# Altium PCB spin5v1_simple.PcbDoc (part 11 of 25) (continued)
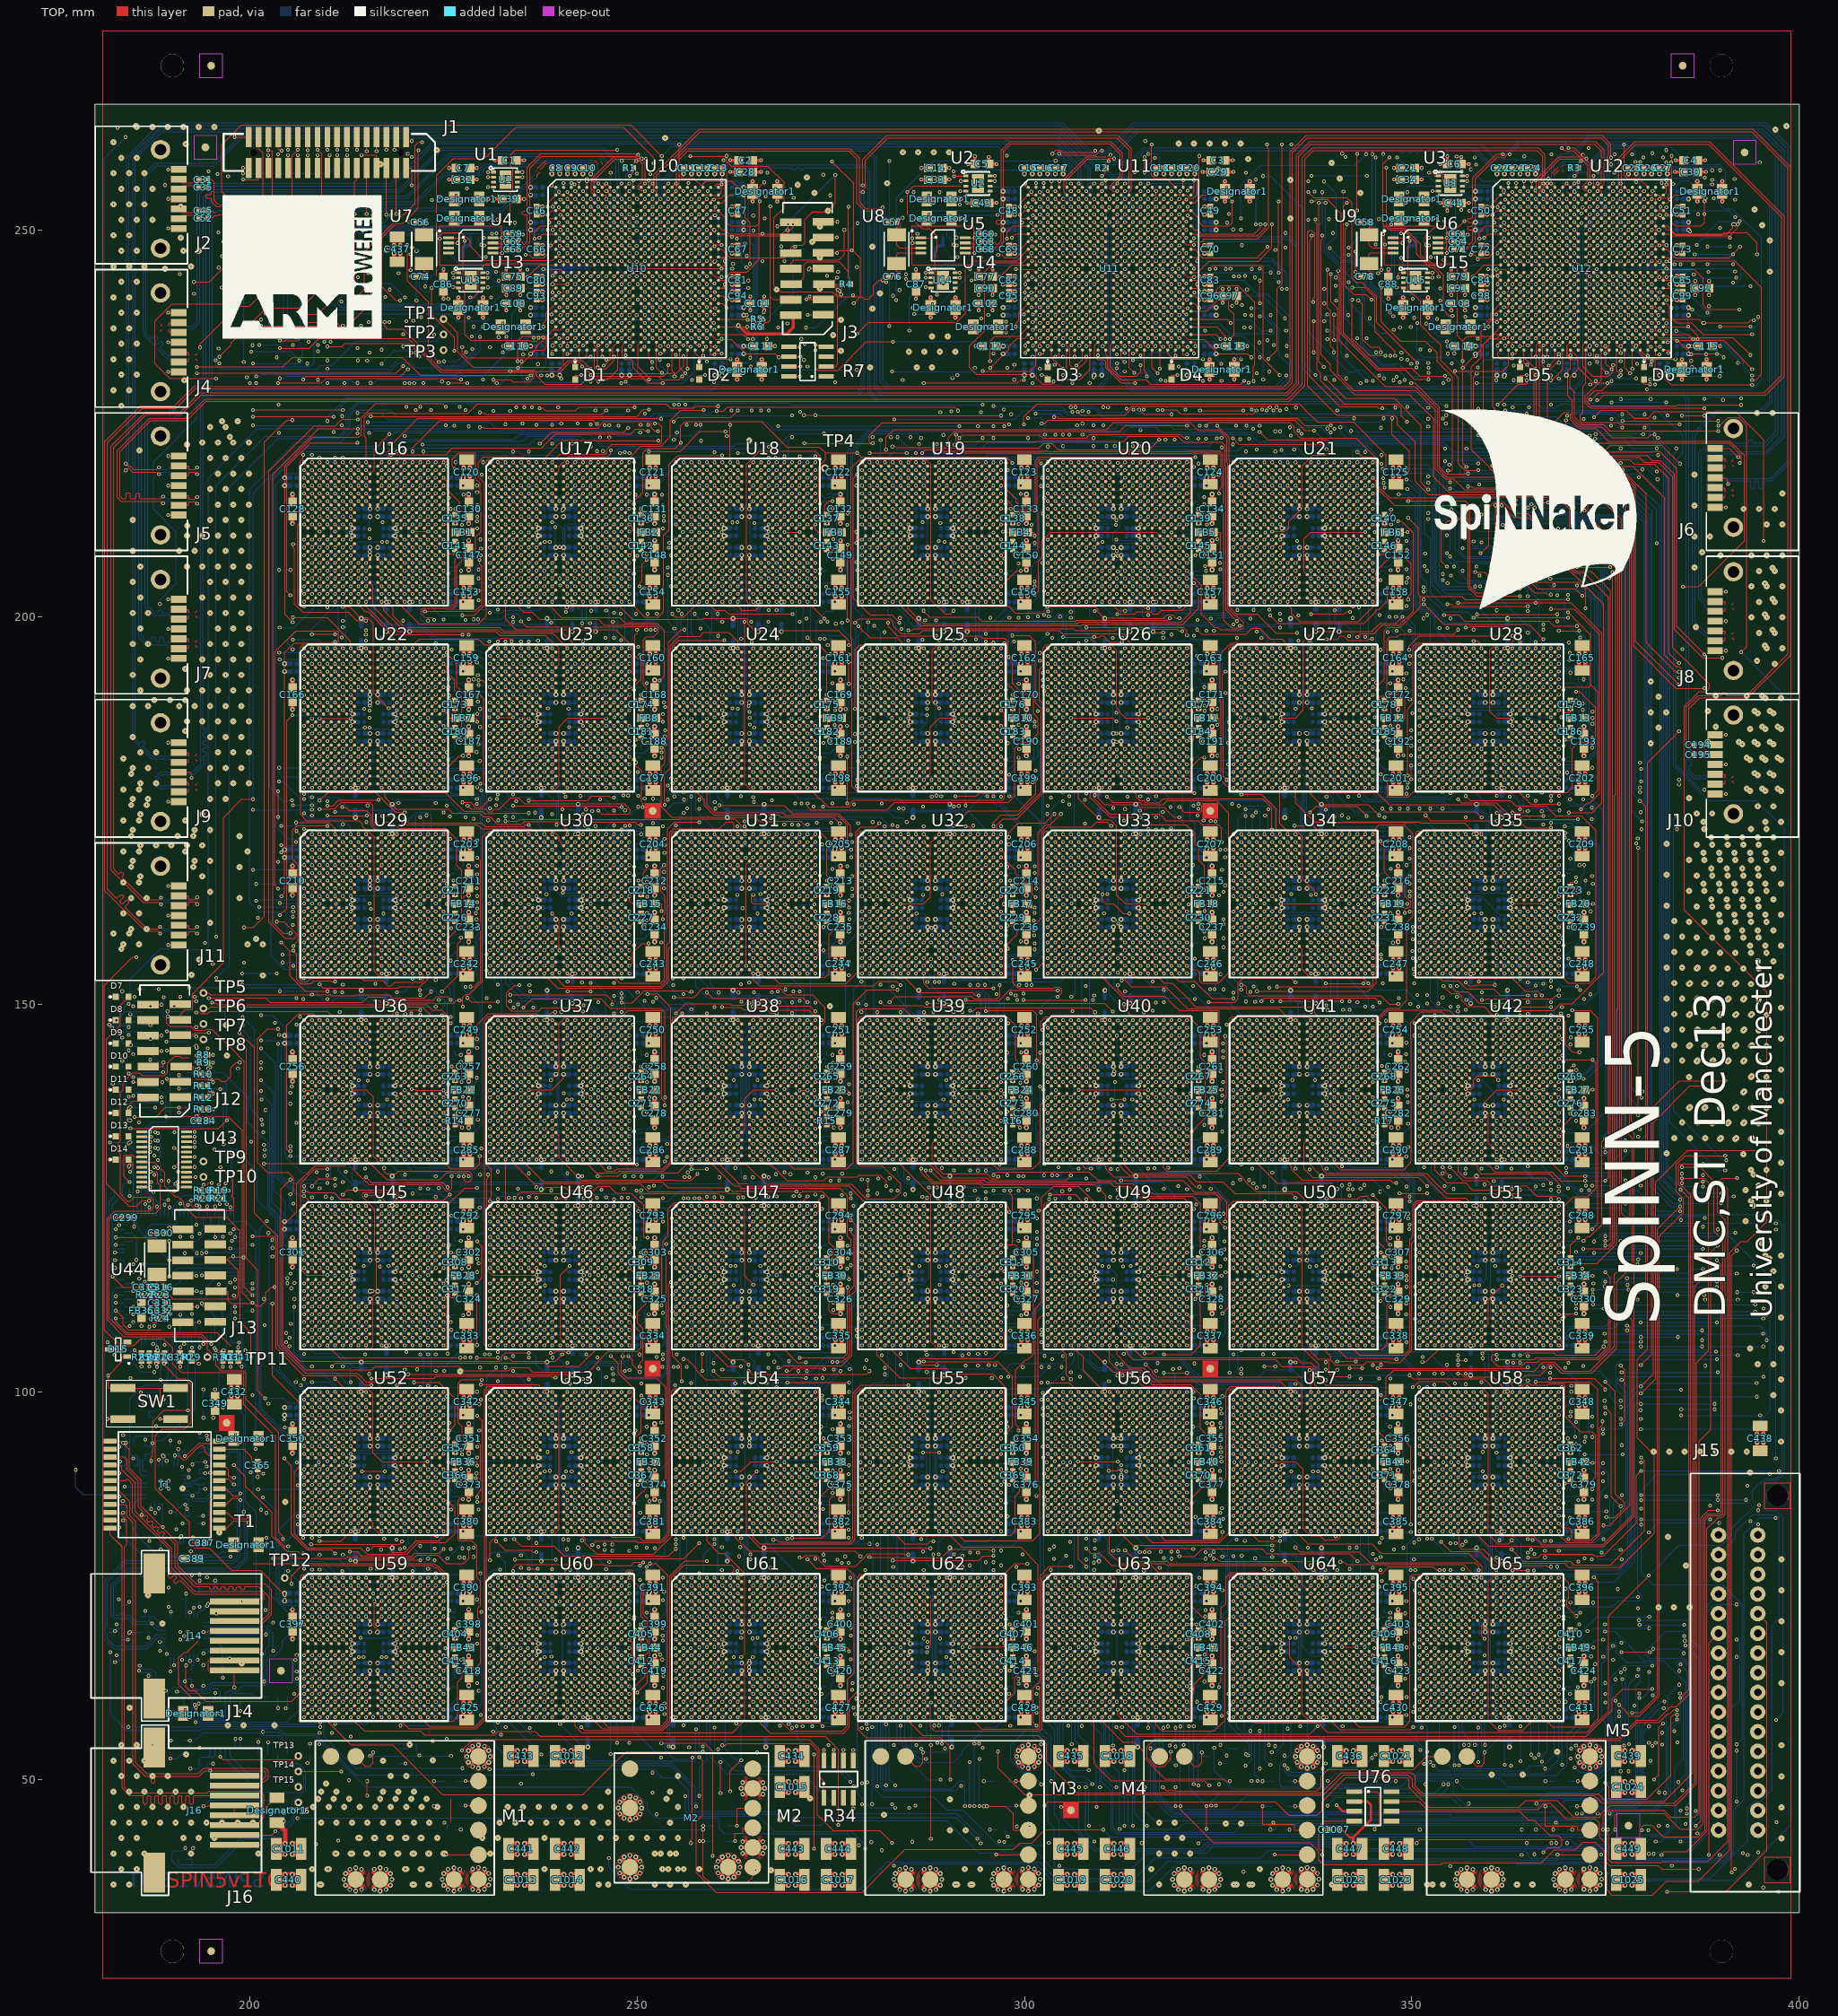
[diagram p0: TOP view]
## Nets (pads, with @x,y where several pads share a name; then routed paths per layer and width w, separated by ;. In a path a pad name is that pad's centre, name@x,y a point inside that pad or via, vN(x,y) a via of type N, cw(c..) or ccw(c..) an arc to the next point about the centre after c; other vN are vias at no path point) (continued)
S23_L2<14>: U16.U7 U30.U17
  other v1: 239.4,150.309 245,150.309 248,155 213,203
S23_L2<15>: U16.T7 U30.U18 | length 17.2
  TOP w0.127: v1(249,155) 249.431,155.431 249.431,156.685 250.638,157.892 v1(251.483,157.892)
  BOTTOM w0.127: v1(241.134,188.172) 242.362,188.172 242.561,187.973 242.561,187.828 243.958,186.431 246.232,186.431 246.431,186.232 246.431,185.95 246.812,185.569 249.24,185.569 249.685,186.014 249.685,186.448 250.003,186.766 251.096,186.766 251.295,186.567 v1(251.295,186.083)
  other v1: 213,204
S24_L0<0>: U23.R11 U24.D11 | length 13.1
  BOTTOM w0.127: v1(242,181) 242.431,180.569 242.431,179.95 242.812,179.569 250.654,179.569 251.051,179.966 251.051,180.012 252.448,181.409 252.68,181.409 v1(253.163,181.892)
  other v1: 266,193
S24_L0<1>: U23.V10 U24.A10
  other v1: 241,178 265,196
S24_L0<2>: U23.U10 U24.B10
  other v1: 241,179 265,195
S24_L0<3>: U23.T10 U24.C10
  other v1: 241,180 265,194 245.917,197.33
S24_L0<4>: U23.R10 U24.D10
  other v1: 241,181 265,193
S24_L0<5>: U23.V11 U24.A11
  other v1: 242,178 266,196
S24_L0<6>: U23.U11 U24.B11
  other v1: 242,179 266,195 260.44,197.6
S24_L0<7>: U23.T11 U24.C11
  other v1: 242,180 266,194
S24_L0<8>: U23.R9 U24.D9
  other v1: 239,181 263,193
S24_L0<9>: U23.V8 U24.A8
  other v1: 238,178 234,180 262,196
S24_L0<10>: U23.U8 U24.B8
  other v1: 238,179 262,195
S24_L0<11>: U23.T8 U24.C8
  other v1: 243,174.578 260.006,176.157 238,180 262,194
S24_L0<12>: U23.R8 U24.D8 | length 7.1
  BOTTOM w0.127: v1(260,187.069) 260.431,187.5 260.431,192.05 260.812,192.431 261.431,192.431 v1(262,193)
  other v1: 238,181
S24_L0<13>: U23.V9 U24.A9 | length 31.6
  TOP w0.127: v1(253.563,175.772) 253.563,176.203 253.532,176.234 253.532,179.76 254.289,180.517 254.289,196.329 255.496,197.536 258.077,197.536 258.572,198.031 261.793,198.031 263,196.824 v1(263,196)
  other v1: 239,178
S24_L0<14>: U23.U9 U24.B9
  other v1: 239,179 263,195
S24_L0<15>: U23.T9 U24.C9 | length 10
  BOTTOM w0.127: v1(250.365,195.122) 250.982,195.739 253.099,195.739 253.607,195.231 253.607,189.572 253.473,189.438 v1(253.473,189.007)
  other v1: 239,180 263,194
S24_L1<0>: U23.V16 U25.D7
  other v1: 247,178 253.963,178.292 253.604,188.4 264.37,188.565 285,193
S24_L1<1>: U23.V14 U25.A6
  other v1: 245,178 284,196
S24_L1<2>: U23.U14 U25.B6
  other v1: 245,179 274.013,194.722 284,195
S24_L1<3>: U23.T14 U25.C6
  other v1: 245,180 284,194
S24_L1<4>: U23.R14 U25.D6
  other v1: 245,181 284,193
S24_L1<5>: U23.V15 U25.A7
  other v1: 246,178 285,196
S24_L1<6>: U23.U15 U25.B7 | length 24.1
  TOP w0.127: v1(254.392,179.2) 254.392,179.631 254.543,179.782 254.543,196.202 255.369,197.028 v1(261.24,197.028)
  other v1: 246,179 285,195
S24_L1<7>: U23.T15 U25.C7
  other v1: 246,180 254.987,187.067 285,194
S24_L1<8>: U23.R13 U25.D5
  other v1: 244,181 283,193
S24_L1<9>: U23.V12 U25.A3 | length 15.9
  BOTTOM w0.127: v1(243,178) 243.431,178.431 247.232,178.431 247.431,178.232 247.431,177.594 247.798,177.227 247.798,177.018 v1(248.229,177.018) ; v1(280,187) 280.431,187.431 280.431,195.431 v1(281,196)
S24_L1<10>: U23.U12 U25.A4
  other v1: 243,179 282,196
S24_L1<11>: U23.T12 U25.B4
  other v1: 243,180 282,195
S24_L1<12>: U23.R12 U25.C4
  other v1: 243,181 282,194
S24_L1<13>: U23.V13 U25.A5 | length 12.9
  TOP w0.127: v1(278.138,188.2) 278.138,195.796 278.773,196.431 282.569,196.431 v1(283,196)
  other v1: 244,178
S24_L1<14>: U23.U13 U25.B5
  other v1: 244,179 283,195
S24_L1<15>: U23.T13 U25.C5
  other v1: 244,180 283,194
S24_L2<0>: U17.R5 U23.R16
  other v1: 247,181 235,205
S24_L2<1>: U17.V3 U23.N15 | length 24.6
  TOP w0.127: v1(233,202) 233,199.764 234.334,198.43 247.208,198.43 249.431,196.207 249.431,192.594 249.69,192.335 v1(249.69,191.904)
  other v1: 246,183 251.295,185.476
S24_L2<2>: U17.V4 U23.N16 | length 31.8
  TOP w0.127: 234,202 235.319,200.681 236.463,200.681 237.416,199.728 245.001,199.728 245.728,199.001 248.304,199.001 248.346,199.043 252.345,199.043 252.79,198.598 252.79,198.105 252.155,197.47 251.193,197.47 250.796,197.073 250.796,191.293 251.237,190.852 v1(251.237,188.6)
  other v1: 247,183
S24_L2<3>: U17.U4 U23.N17 | length 21.1
  BOTTOM w0.127: v1(229.729,185.842) 230.35,185.221 230.35,183.013 230.795,182.568 247.568,182.568 v1(248,183)
  other v1: 234,203
S24_L2<4>: U17.T4 U23.N18
  other v1: 249,183 247.071,187.067 234,204
S24_L2<5>: U17.V5 U23.P16 | length 24.5
  BOTTOM w0.127: v1(229.729,188.158) 229.729,187.727 229.773,187.683 229.773,187.262 229.455,186.944 229.11,186.944 228.911,186.745 228.911,184.603 229.483,184.031 229.699,184.031 230.096,183.634 230.096,182.268 230.795,181.569 246.178,181.569 246.609,182 v1(247,182)
  other v1: 235,202
S24_L2<6>: U17.U5 U23.P17 | length 14.1
  TOP w0.127: v1(233.999,175.663) 247.402,175.663 247.57,175.495 v1(248.001,175.495)
  other v1: 248,182 235,196.862 235,203
S24_L2<7>: U17.T5 U23.P18 | length 2.2
  BOTTOM w0.127: v1(246.862,199.432) 246.862,199.001 247,198.863 v1(247,197.33)
  other v1: 249,182 235,204
S24_L2<8>: U17.R7 U23.V18 | length 8.7
  TOP w0.127: v1(240.554,177.449) 248.449,177.449 v1(249,178)
  other v1: 237,205
S24_L2<9>: U17.V6 U23.R17
  other v1: 248,181 236,202
S24_L2<10>: U17.U6 U23.R18
  other v1: 249.055,173.116 240.335,175.232 249,181 236,203
S24_L2<11>: U17.T6 U23.T16 | length 7.2
  BOTTOM w0.127: v1(236,204) 236.431,204.431 236.431,209.058 236.939,209.566 237.46,209.566 237.636,209.742 v1(238.067,209.742)
  other v1: 247,180
S24_L2<12>: U17.R6 U23.T17 | length 11.3
  TOP w0.127: v1(236,176.348) 243.576,176.348 244.154,176.926 246.369,176.926 246.569,176.726 v1(247,176.726)
  other v1: 248,180 236,205
S24_L2<13>: U17.V7 U23.T18 | length 39.8
  TOP w0.127: v1(237,202) 237.597,201.403 238.802,201.403 240.223,199.982 247.73,199.982 248.415,199.297 252.487,199.297 253.503,198.281 253.503,192.423 v1(252.922,191.842)
  BOTTOM w0.127: v1(249,180) 248.568,180.432 248.568,182.178 248.886,182.496 250.932,182.496 251.726,183.29 251.726,190.708 251.98,190.962 252.042,190.962 v1(252.922,191.842)
S24_L2<14>: U17.U7 U23.U17 | length 21.4
  TOP w0.127: v1(251.295,183.791) 251.531,184.027 253.638,184.027 254.035,184.424 254.035,196.774 255.305,198.044 255.328,198.044 255.685,198.401 v1(256.116,198.401)
  BOTTOM w0.127: v1(248,179) 248.569,178.431 249.232,178.431 249.431,178.232 249.431,177.656 v1(250.12,176.967)
  other v1: 237,203
S24_L2<15>: U17.T7 U23.U18
  other v1: 249,179 237,204
S25_L0<0>: U20.D11 U25.R11 | length 12.4
  BOTTOM w0.127: v1(302.569,215.431) 313.05,215.431 313.431,215.812 313.431,216.431 v1(314,217)
  other v1: 290,181 303.07,200.737
S25_L0<1>: U20.A10 U25.V10
  other v1: 289,178 313,220
S25_L0<2>: U20.B10 U25.U10 | length 26.5
  BOTTOM w0.127: v1(298.013,179.672) 299.226,180.885 300.555,180.885 301.762,182.092 301.762,183.415 302.778,184.431 305.05,184.431 305.431,184.812 305.431,200.161 v1(306,200.73)
  other v1: 289,179 313,219
S25_L0<3>: U20.C10 U25.T10 | length 9.5
  BOTTOM w0.127: v1(287.434,188.172) 287.434,195.477 v1(288.985,197.028)
  other v1: 289,180 313,218 308.928,223.135 290.57,226.573
S25_L0<4>: U20.D10 U25.R10 | length 15.7
  BOTTOM w0.127: v1(300.932,211.917) 301.658,212.643 301.658,215.288 302.801,216.431 312.431,216.431 v1(313,217)
  other v1: 289,181
S25_L0<5>: U20.A11 U25.V11 | length 13.2
  BOTTOM w0.127: v1(280.6,198.904) 281.431,198.073 281.431,187.953 282.384,187 v1(282.915,187)
  other v1: 290,178 289.705,209.742 314,220 314,222.084
S25_L0<6>: U20.B11 U25.U11 | length 5.3
  BOTTOM w0.127: v1(290,179) 290.569,178.431 292.232,178.431 292.431,178.232 v1(292.431,175.697)
  other v1: 311.916,208.542 314,219
S25_L0<7>: U20.C11 U25.T11
  other v1: 290,180 295,197.859 314,218 310.2,224.797
S25_L0<8>: U20.D9 U25.R9
  other v1: 288.067,178 287,181 311,217
S25_L0<9>: U20.A8 U25.V8
  other v1: 311.472,175.402 286,178 310,220
S25_L0<10>: U20.B8 U25.U8
  other v1: 286,179 310,219
S25_L0<11>: U20.C8 U25.T8 | length 8.3
  BOTTOM w0.127: v1(302.142,216.935) 302.638,217.431 309.431,217.431 v1(310,218)
  other v1: 286,180
S25_L0<12>: U20.D8 U25.R8 | length 26
  BOTTOM w0.127: v1(283.198,225.546) 298.726,225.546 299.897,226.717 304.938,226.717 305.572,226.083 307.868,226.083 v1(308.299,226.514)
  other v1: 286,181 284.138,198.504 310,217
S25_L0<13>: U20.A9 U25.V9 | length 1.5
  BOTTOM w0.127: v1(287,178) 287,178.191 287.24,178.431 287.431,178.431 v1(288,179)
  other v1: 302.542,203.43 311,220
S25_L0<14>: U20.B9 U25.U9 | length 50.6
  TOP w0.127: U25.U9@287.5,179.5 287.891,179.891 287.891,185.853 289.034,186.996 v1(291.033,186.996)
  BOTTOM w0.127: v1(291.033,186.996) 291.033,186.565 291.05,186.565 291.431,186.184 291.431,180.95 291.812,180.569 294.188,180.569 294.569,180.95 294.569,184.232 294.768,184.431 297.05,184.431 297.431,184.812 297.431,186.194 298.257,187.02 298.773,187.02 299.345,187.592 299.345,189.346 300.896,190.897 300.896,195.485 300.388,195.993 298.85,195.993 298.024,196.819 298.024,197.869 299.04,198.885 303.399,198.885 v1(304.6,200.086)
  other v1: 311,219
S25_L0<15>: U20.C9 U25.T9
  other v1: 287,180 311,218
S25_L1<0>: U19.D7 U25.V16 | length 45.3
  TOP w0.127: v1(280,221.201) v1(284.8,221.201)
  BOTTOM w0.127: v1(278.138,183.9) 278.138,184.358 278.011,184.485 277.906,184.485 277.707,184.684 277.707,188.606 278.266,189.165 278.266,198.393 277.708,198.951 277.708,207.169 278.105,207.566 280.178,207.566 280.432,207.82 280.432,220.769 v1(280,221.201)
  other v1: 295,178 285,217
S25_L1<1>: U19.A6 U25.V14 | length 63.9
  TOP w0.127: v1(284,220) 283.569,220.431 278.773,220.431 277.63,219.288 277.63,197.15 277.758,197.022 277.758,189.637 277.707,189.586 277.707,178.204 278.342,177.569 292.569,177.569 v1(293,178)
S25_L1<2>: U19.B6 U25.U14
  other v1: 293,179 291.95,186.931 284,219
S25_L1<3>: U19.C6 U25.T14 | length 12.9
  BOTTOM w0.127: v1(284,218) 284.569,217.431 287.233,217.431 287.487,217.177 v1(287.487,208.068)
  other v1: 293,180 287,207 287,215
S25_L1<4>: U19.D6 U25.R14 | length 29.4
  TOP w0.127: v1(286.995,230.23) 299.104,230.23 299.504,230.63 v1(299.935,230.63)
  BOTTOM w0.127: v1(292.328,197) 292.328,196.569 292.431,196.466 292.431,181.569 v1(293,181)
  other v1: 284,217
S25_L1<5>: U19.A7 U25.V15 | length 24.8
  TOP w0.127: v1(285,220) 285.431,220.431 287.219,220.431 287.918,219.732 287.918,202.253 289.76,200.411 290.434,200.411 v1(290.865,200.842)
  other v1: 294,178
S25_L1<6>: U19.B7 U25.U15 | length 25.6
  BOTTOM w0.127: v1(294,179) 294.431,179.431 296.05,179.431 296.431,179.812 296.431,181.05 296.812,181.431 300.301,181.431 300.746,181.876 300.746,189.412 301.15,189.816 301.15,195.645 299.943,196.852 v1(298.655,196.852)
  other v1: 297,182 285,219 297.862,218.996
S25_L1<7>: U19.C7 U25.T15 | length 23.4
  TOP w0.127: v1(278.38,218.401) 277.884,217.905 277.884,202.456 280.043,200.297 282.894,200.297 283.339,199.852 283.339,199.827 v1(283.862,199.304)
  other v1: 294,180 299.255,199.959 285,218
S25_L1<8>: U19.D5 U25.R13 | length 16.1
  TOP w0.127: v1(289,188.258) 288.109,189.149 288.109,195.732 288.808,196.431 295.265,196.431 295.569,196.735 v1(296,196.735)
  other v1: 292,181 283,217
S25_L1<9>: U19.A3 U25.V12
  other v1: 291,178 281,220 282.769,223.256
S25_L1<10>: U19.A4 U25.U12 | length 24.8
  BOTTOM w0.127: v1(281.95,210.931) 282.432,210.449 282.432,200.236 283.431,199.237 283.431,187.5 v1(284,186.931)
  other v1: 291,179 282,220
S25_L1<11>: U19.B4 U25.T12 | length 7.2
  TOP w0.127: v1(282.4,199.305) 282.4,198.826 283.607,197.619 288.138,197.619 288.154,197.635 v1(288.585,197.635)
  other v1: 291,180 282,219
S25_L1<12>: U19.C4 U25.R12 | length 44.9
  BOTTOM w0.127: v1(282,218) 282.569,217.431 283.183,217.431 283.501,217.113 283.501,201.366 285.041,199.826 285.041,199.438 285.613,198.866 290.637,198.866 291.431,198.072 291.431,195.812 291.05,195.431 290.822,195.431 290.568,195.177 290.568,181.432 v1(291,181)
  other v1: 287,179 297,184 291,186 291,188 297,188 285,202
S25_L1<13>: U19.A5 U25.V13 | length 18.6
  BOTTOM w0.127: v1(283.931,199.911) 284.569,199.273 284.569,185.768 284.768,185.569 286.545,185.569 287.434,186.458 v1(287.434,187.365)
  other v1: 292,178 283,220
S25_L1<14>: U19.B5 U25.U13 | length 32.4
  BOTTOM w0.127: v1(283,219) 283.432,219.432 292.177,219.432 292.431,219.178 292.431,203.939 292.939,203.431 293.178,203.431 293.496,203.113 293.496,201.691 293.741,201.446 v1(293.741,197.158)
  other v1: 292,179
S25_L1<15>: U19.C5 U25.T13
  other v1: 292,180 283,218
S25_L2<0>: U18.R5 U25.R16 | length 17.8
  TOP w0.127: v1(277.327,191.4) v1(277.327,194.192)
  BOTTOM w0.127: v1(259,205) 259.569,204.431 263.213,204.431 264.293,203.351 264.293,199.184 264.611,198.866 266.876,198.866 268.083,197.659 v1(268.083,197.201)
  other v1: 295,181 278.538,181.43
S25_L2<1>: U18.V3 U25.N15 | length 39.1
  BOTTOM w0.127: v1(257,202) 257,197.908 258.431,196.477 258.431,182.949 258.876,182.504 274.965,182.504 275.362,182.901 275.362,182.911 276.251,183.8 v1(277.167,183.8)
  other v1: 294,183
S25_L2<2>: U18.V4 U25.N16 | length 20.4
  TOP w0.127: v1(254.521,200.432) 254.952,200.001 256.001,200.001 v1(258,202) ; v1(272,197.358) 272.76,196.598 273.367,196.598 273.685,196.28 273.685,196.224 274.486,195.423 v1(274.486,189.992)
  BOTTOM w0.127: v1(251.145,198.358) 251.145,198.549 251.385,198.789 252.713,198.789 253.375,198.127 255.033,198.127 255.232,198.326 255.232,199.721 v1(254.521,200.432)
  other v1: 295,183 275.541,188
S25_L2<3>: U18.U4 U25.N17 | length 16
  BOTTOM w0.127: v1(258,203) 258.432,202.568 258.432,201.923 258.94,201.415 259.113,201.415 259.939,200.589 259.939,199.985 260.511,199.413 v1(261.001,199.413) ; v1(274.207,197.2) 275.181,197.2 276.896,195.485 276.896,188.615 276.922,188.589 v1(276.922,188.158)
  other v1: 296,183
S25_L2<4>: U18.T4 U25.N18 | length 21.1
  BOTTOM w0.127: v1(258,204) 257.568,203.568 257.568,201.796 258.203,201.161 258.986,201.161 259.685,200.462 259.685,197.701 260.955,196.431 263.24,196.431 263.939,195.732 263.939,188.309 v1(264.483,187.765)
  other v1: 297,183
S25_L2<5>: U18.V5 U25.P16 | length 11.7
  TOP w0.127: v1(259,202) 260.093,200.907 261.299,200.907 261.795,200.411 269.632,200.411 269.634,200.413 v1(270.065,200.413)
  other v1: 295,182 295,196.862
S25_L2<6>: U18.U5 U25.P17
  other v1: 296,182 295.6,199.93 259,203
S25_L2<7>: U18.T5 U25.P18 | length 70.7
  TOP w0.127: v1(263.862,199.413) 263.862,198.982 263.891,198.953 263.891,178.483 264.971,177.403 272.78,177.403 274.431,175.752 274.431,175.733 274.63,175.534 277.373,175.534 277.572,175.733 277.572,176.064 277.89,176.382 297.177,176.382 297.431,176.636 297.431,181.569 297,182
  BOTTOM w0.127: v1(259,204) 259.569,203.431 263.227,203.431 263.862,202.796 v1(263.862,199.413)
S25_L2<8>: U18.R7 U25.V18 | length 6.4
  TOP w0.127: v1(291.065,176.897) 293.8,176.897 294.231,177.328 296.328,177.328 v1(297,178)
  other v1: 262.284,188.258 261,205
S25_L2<9>: U18.V6 U25.R17 | length 18
  TOP w0.127: v1(291.898,197.589) 294.278,197.589 294.574,197.293 297.417,197.293 297.862,196.848 297.862,195.48 297.494,195.112 297.494,191.693 298.51,190.677 298.534,190.677 298.931,190.28 298.931,190.034 299.366,189.599 299.366,186.182 v1(299.267,186.083)
  other v1: 296,181 294,186.931 260,202
S25_L2<10>: U18.U6 U25.R18 | length 31.1
  BOTTOM w0.127: v1(260,203) 260.432,202.568 260.432,201.911 260.94,201.403 262.233,201.403 262.995,200.641 262.995,197.003 263.313,196.685 263.367,196.685 264.193,195.859 264.193,191.138 264.765,190.566 269.05,190.566 269.431,190.185 269.431,183.95 269.812,183.569 273.376,183.569 273.607,183.8 v1(274.038,183.8)
  other v1: 297,181
S25_L2<11>: U18.T6 U25.T16
  other v1: 295,180 271,199.432 260,204
S25_L2<12>: U18.R6 U25.T17 | length 10.4
  BOTTOM w0.127: 260,205 260.432,205.432 263.213,205.432 264.547,204.098 264.547,201.8 264.944,201.403 266.505,201.403 v1(267.001,200.907)
  other v1: 288.038,176.842 297,176.842 296,180 281.915,198.104
S25_L2<13>: U18.V7 U25.T18 | length 14.5
  TOP w0.127: v1(261,202) 261.597,201.403 263.01,201.403 263.506,200.907 265.299,200.907 265.795,201.403 272.585,201.403 v1(274.155,199.833)
  other v1: 297,180
S25_L2<14>: U18.U7 U25.U17 | length 7.8
  BOTTOM w0.127: v1(261,203) 261.569,202.431 263.232,202.431 263.431,202.232 v1(263.431,197.2)
  other v1: 296,179
S25_L2<15>: U18.T7 U25.U18 | length 11.5
  BOTTOM w0.127: v1(273.6,197.204) 274.027,197.631 276.742,197.631 277.758,196.615 277.758,190.473 v1(277.327,190.042)
  other v1: 297,179 297.685,188.6 261,204
S26_L0<0>: U20.R11 U27.D11
  other v1: 338,193 314,205
S26_L0<1>: U20.V10 U27.A10
  other v1: 337,196 333.042,199.642 313,202 323.456,205.993
S26_L0<2>: U20.U10 U27.B10
  other v1: 337,195 313,203
S26_L0<3>: U20.T10 U27.C10
  other v1: 337,194 313,204
S26_L0<4>: U20.R10 U27.D10 | length 41.5
  BOTTOM w0.127: v1(313,205) 313.442,205 313.569,204.873 313.569,204.822 313.822,204.569 314.061,204.569 314.569,204.061 314.569,202.822 314.96,202.431 318.178,202.431 318.569,202.04 318.569,201.822 318.685,201.706 318.685,201.481 319.638,200.528 326.225,200.528 327.077,201.38 329.997,201.38 330.569,201.952 330.569,202.178 330.822,202.431 339.178,202.431 339.431,202.178 339.431,193.822 339.04,193.431 337.822,193.431 337.569,193.178 337.569,193.127 337.442,193 v1(337,193)
S26_L0<5>: U20.V11 U27.A11
  other v1: 338,196
S26_L0<6>: U20.U11 U27.B11 | length 22
  BOTTOM w0.127: 314,203 314,202.609 314.431,202.178 314.431,201.812 315.249,200.994 315.249,200.2 316.329,199.12 326.239,199.12 326.886,198.473 328.595,198.473 328.943,198.821 332.845,198.821 v1(333,198.666)
  other v1: 338,195
S26_L0<7>: U20.T11 U27.C11
  other v1: 338,194 314,204
S26_L0<8>: U20.R9 U27.D9
  other v1: 335,193 323.506,198.275 311,205
S26_L0<9>: U20.V8 U27.A8 | length 13.5
  TOP w0.127: v1(322.306,198.404) 322.867,197.843 328.661,197.843 329.385,198.567 330.344,198.567 331.718,197.193 333.25,197.193 333.504,196.939 333.504,196.888 334,196.392 v1(334,196)
  other v1: 310,202
S26_L0<10>: U20.U8 U27.B8 | length 29.3
  BOTTOM w0.127: v1(310,203) 310.569,202.431 312.243,202.431 312.497,202.177 312.497,199.946 313.577,198.866 325.73,198.866 326.377,198.219 329.003,198.219 329.351,198.567 330.462,198.567 332.431,196.598 332.431,195.939 332.939,195.431 333.569,195.431 v1(334,195)
  other v1: 314,203
S26_L0<11>: U20.T8 U27.C8 | length 18.9
  BOTTOM w0.127: v1(310,204) 309.568,203.568 309.568,201.8 309.965,201.403 310.207,201.403 311.477,200.133 311.477,199.489 312.62,198.346 312.634,198.346 313.031,197.949 313.031,197.34 313.857,196.514 321.226,196.514 322.306,195.434 v1(322.306,195)
  other v1: 334,194
S26_L0<12>: U20.R8 U27.D8
  other v1: 334,193 311.4,197.335 310,205
S26_L0<13>: U20.V9 U27.A9 | length 2.5
  TOP w0.127: v1(311,202) 312.158,200.842 v1(313,200.842)
  other v1: 335,196 314,202
S26_L0<14>: U20.U9 U27.B9
  other v1: 335,195 324.065,199.843 311,203
S26_L0<15>: U20.T9 U27.C9
  other v1: 335,194 311,204
S26_L1<0>: U20.V16 U21.D7 | length 29.1
  BOTTOM w0.127: v1(319,202) 319,201.534 319.572,200.962 324.61,200.962 325.404,201.756 325.404,201.775 326.198,202.569 329.232,202.569 329.431,202.768 329.431,216.05 329.812,216.431 332.431,216.431 v1(333,217)
S26_L1<1>: U20.V14 U21.A6 | length 16.8
  BOTTOM w0.127: v1(320.001,201.393) 323.943,201.393 325.15,202.6 325.15,202.605 325.976,203.431 328.05,203.431 328.431,203.812 328.431,210.362 v1(329,210.931)
  other v1: 317,202 332,220
S26_L1<2>: U20.U14 U21.B6
  other v1: 331.6,201 317,203 332,219
S26_L1<3>: U20.T14 U21.C6 | length 5.6
  BOTTOM w0.127: v1(323.268,208.635) 324.083,208.635 325.353,209.905 325.353,210.448 324.527,211.274 324.304,211.274 v1(323.578,212)
  other v1: 317,204 332,218
S26_L1<4>: U20.R14 U21.D6
  other v1: 317,205 332,217
S26_L1<5>: U20.V15 U21.A7
  other v1: 318,202 333,220
S26_L1<6>: U20.U15 U21.B7
  other v1: 327.508,200.949 318,203 327.966,210.931 333,219
S26_L1<7>: U20.T15 U21.C7 | length 28.4
  BOTTOM w0.127: v1(318,204) 318.432,203.568 321.793,203.568 322.794,204.569 327.232,204.569 327.431,204.768 327.431,217.05 327.812,217.431 332.431,217.431 v1(333,218)
S26_L1<8>: U20.R13 U21.D5
  other v1: 324.465,198.274 316,205 331,217
S26_L1<9>: U20.V12 U21.A3
  other v1: 315,202 329,220
S26_L1<10>: U20.U12 U21.A4 | length 30.3
  BOTTOM w0.127: v1(315,203) 315.432,203.432 315.432,205.05 315.813,205.431 325.172,205.431 326.315,206.574 326.315,218.986 326.76,219.431 329.431,219.431 v1(330,220)
  other v1: 321,206
S26_L1<11>: U20.T12 U21.B4
  other v1: 315,204 330,219
S26_L1<12>: U20.R12 U21.C4
  other v1: 315,205 330,218
S26_L1<13>: U20.V13 U21.A5
  other v1: 316,202 331,220 318.207,222.916
S26_L1<14>: U20.U13 U21.B5
  other v1: 316,203 331,219 319.4,222.916
S26_L1<15>: U20.T13 U21.C5 | length 28
  BOTTOM w0.127: v1(316,204) 316.431,204.431 321.144,204.431 321.717,205.004 325.108,205.004 326.569,206.465 326.569,218.232 326.768,218.431 330.178,218.431 330.609,218 v1(331,218)
S26_L2<0>: U19.R5 U20.R16
  other v1: 301.342,204.6 283,205 311.931,205 319,205
S26_L2<1>: U19.V3 U20.N15 | length 35.7
  TOP w0.127: v1(282.938,222.034) 283.369,222.034 283.502,221.901 289.561,221.901 289.626,221.836 301.853,221.836 302.48,222.463 303.567,222.463 304.377,221.653 316.137,221.653 v1(317.4,222.916)
  other v1: 281,202 318,207
S26_L2<2>: U19.V4 U20.N16 | length 24.9
  BOTTOM w0.127: v1(300.465,199.98) 300.896,199.98 301.177,199.699 303.381,199.699 303.58,199.898 303.58,200.555 303.569,200.566 303.569,204.232 303.768,204.431 311.989,204.431 312.497,204.939 312.497,206.113 312.815,206.431 318.431,206.431 v1(319,207)
  other v1: 282,202
S26_L2<3>: U19.U4 U20.N17 | length 20.4
  BOTTOM w0.127: v1(302.352,207) 302.783,207.431 311.211,207.431 311.311,207.531 311.311,208.576 311.708,208.973 312.144,208.973 312.462,208.655 312.462,207.75 312.78,207.432 319.568,207.432 320,207
  other v1: 282,203
S26_L2<4>: U19.T4 U20.N18
  other v1: 306,199.93 282,204 321,207
S26_L2<5>: U19.V5 U20.P16
  other v1: 283,202 319,206
S26_L2<6>: U19.U5 U20.P17
  other v1: 283,203 312.066,205.901 320,206
S26_L2<7>: U19.T5 U20.P18 | length 85.4
  TOP w0.127: v1(282.138,221.632) 282.138,223.237 283.154,224.253 310.631,224.253 311.548,225.17 321.408,225.17 322.469,224.109 325.141,224.109 326.157,223.093 326.157,220.029 326.265,219.921 326.265,201.149 327.218,200.196 327.372,200.196 328.261,199.307 328.261,198.698 327.943,198.38 325.313,198.38 324.987,198.706 324.56,198.706 322.845,200.421 322.845,204.155 321,206
  other v1: 283,204
S26_L2<8>: U19.R7 U20.V18 | length 10.2
  TOP w0.127: v1(311.987,200.411) 314.205,200.411 314.521,200.727 316.273,200.727 316.589,200.411 317.205,200.411 317.701,200.907 320.365,200.907 321,201.542 v1(321,202)
  other v1: 285,205
S26_L2<9>: U19.V6 U20.R17 | length 44.5
  TOP w0.127: v1(284,202) 284,201.518 286.604,198.914 307.341,198.914 307.553,199.126 309.69,199.126 309.713,199.103 320.478,199.103 321.939,200.564 321.939,200.585 322.486,201.132 322.486,203.777 v1(321.863,204.4)
  other v1: 320,205
S26_L2<10>: U19.U6 U20.R18 | length 37.8
  TOP w0.127: v1(286.968,200.842) 287.78,200.03 293.992,200.03 294.523,199.499 306.617,199.499 306.752,199.634 312.483,199.634 312.506,199.611 318.545,199.611 v1(318.799,199.865)
  BOTTOM w0.127: v1(284,203) 284.431,203.431 286.178,203.431 286.496,203.113 286.496,201.314 v1(286.968,200.842)
  other v1: 321,205
S26_L2<11>: U19.T6 U20.T16
  other v1: 284,204 311.931,204 319,204
S26_L2<12>: U19.R6 U20.T17
  other v1: 311.931,203 320,204 284,205
S26_L2<13>: U19.V7 U20.T18 | length 42.3
  TOP w0.127: 285,202 285,201.137 286.969,199.168 306.833,199.168 307.045,199.38 311.213,199.38 311.236,199.357 320.161,199.357 321.431,200.627 321.431,203.569 v1(321,204)
S26_L2<14>: U19.U7 U20.U17 | length 35.8
  TOP w0.127: v1(285,198.304) 285.431,198.304 285.671,198.544 306.307,198.544 306.587,198.264 311.64,198.264 311.827,198.451 319.723,198.451 319.97,198.204 v1(320.401,198.204)
  other v1: 285,203 320,203
S26_L2<15>: U19.T7 U20.U18 | length 63.4
  TOP w0.127: v1(286.8,221.202) 287.245,221.647 288.996,221.647 289.173,221.47 303.137,221.47 303.208,221.399 320.92,221.399 320.991,221.47 325.204,221.47 325.649,221.025 325.649,219.226 325.757,219.118 325.757,199.65 326.773,198.634 327.56,198.634 v1(327.83,198.904)
  other v1: 321,203 285,204
S27_L0<0>: U27.R11 U35.D11 | length 32.7
  BOTTOM w0.127: 338,181 338.432,180.568 338.432,178.939 338.94,178.431 340.232,178.431 340.431,178.232 340.431,177.057 341.369,176.119 341.369,176.073 342.576,174.866 358.986,174.866 359.685,174.167 359.685,170.701 360.955,169.431 361.569,169.431 v1(362,169)
  other v1: 361,171 362,172
S27_L0<1>: U27.V10 U35.A10 | length 10.8
  TOP w0.127: v1(337,178) 337,177.178 338.334,175.844 344.39,175.844 v1(345.8,174.434)
  other v1: 361,172
S27_L0<2>: U27.U10 U35.B10 | length 21.6
  BOTTOM w0.127: v1(343.2,176.972) 343.936,176.236 354.127,176.236 355.243,175.12 359.113,175.12 359.939,174.294 359.939,172.061 361,171
  other v1: 337,179
S27_L0<3>: U27.T10 U35.C10
  other v1: 361,170 337,180
S27_L0<4>: U27.R10 U35.D10 | length 32.5
  BOTTOM w0.127: v1(337,181) 337.505,180.495 337.505,177.848 337.95,177.403 339.068,177.403 339.862,176.609 339.862,175.219 340.569,174.512 340.569,174.209 341.077,173.701 351.939,173.701 353.209,172.431 359.232,172.431 359.431,172.232 359.431,170.569 v1(361,169)
  other v1: 358,172
S27_L0<5>: U27.V11 U35.A11 | length 27.9
  TOP w0.127: v1(338,178) 338.597,177.403 345.515,177.403 347.101,175.817 360.551,175.817 361.504,174.864 361.504,172.888 362,172.392 362,172
  other v1: 338,181
S27_L0<6>: U27.U11 U35.B11
  other v1: 362,171 361,174.758 338,179
S27_L0<7>: U27.T11 U35.C11
  other v1: 362,170 338,180
S27_L0<8>: U27.R9 U35.D9 | length 23.9
  BOTTOM w0.127: v1(338.923,175.159) 338.923,174.273 340.257,172.939 349.043,172.939 350.44,171.542 350.44,170.939 350.948,170.431 358.232,170.431 358.431,170.232 358.431,169.569 v1(359,169)
  other v1: 335,181
S27_L0<9>: U27.V8 U35.A8
  other v1: 334,178
S27_L0<10>: U27.U8 U35.B8 | length 22.9
  BOTTOM w0.127: v1(339,176.842) 339,176.411 339.354,176.057 339.354,174.241 340.148,173.447 350.224,173.447 351.431,172.24 351.431,171.939 351.939,171.431 357.569,171.431 v1(358,171)
  other v1: 334,179
S27_L0<11>: U27.T8 U35.C8
  other v1: 358,170 334,180
S27_L0<12>: U27.R8 U35.D8 | length 33.8
  BOTTOM w0.127: v1(334,181) 334.432,181.432 335.177,181.432 336.447,180.162 336.447,173.892 337.908,172.431 348.324,172.431 349.15,171.605 349.15,170.193 349.912,169.431 357.569,169.431 v1(358,169)
S27_L0<13>: U27.V9 U35.A9 | length 27.6
  TOP w0.127: v1(335,178) 335,176.066 337.477,173.589 351.019,173.589 351.135,173.473 356.858,173.473 357.9,172.431 358.569,172.431 v1(359,172)
S27_L0<14>: U27.U9 U35.B9
  other v1: 359,171 341.8,174.132 335,179
S27_L0<15>: U27.T9 U35.C9
  other v1: 359,170 335,180
S27_L1<0>: U27.V16 U28.D7
  other v1: 343,178 357,193
S27_L1<1>: U27.V14 U28.A6
  other v1: 341,178 347.232,183.527 348.922,191.972 356,196
S27_L1<2>: U27.U14 U28.B6
  other v1: 341,179 345.607,184.067 349.317,192.772 356,195
S27_L1<3>: U27.T14 U28.C6 | length 11.5
  BOTTOM w0.127: v1(341,180) 341.431,180.431 345.232,180.431 345.431,180.232 345.431,177.831 345.828,177.434 348.884,177.434 v1(349.465,178.015)
  other v1: 356,194 349.773,194.999
S27_L1<4>: U27.R14 U28.D6
  other v1: 341,181 356,193
S27_L1<5>: U27.V15 U28.A7 | length 46.7
  TOP w0.127: v1(349.488,179.569) 349.488,188.181 350.204,188.897 350.204,196.24 350.649,196.685 356.315,196.685 v1(357,196)
  BOTTOM w0.127: v1(342,178) 342.597,177.403 343.449,177.403 344.322,176.53 354.859,176.53 355.431,177.102 355.431,179.188 355.05,179.569 v1(349.488,179.569)
S27_L1<6>: U27.U15 U28.B7 | length 21.1
  TOP w0.127: v1(347.267,186.001) 347.366,186.1 347.366,189.531 346.796,190.101 346.796,197.073 347.193,197.47 348.178,197.47 348.551,197.843 355.436,197.843 v1(356,198.407)
  other v1: 342,179 357,195
S27_L1<7>: U27.T15 U28.C7 | length 15.3
  BOTTOM w0.127: v1(342,180) 342.569,179.431 344.232,179.431 344.431,179.232 344.431,177.927 345.574,176.784 354.487,176.784 v1(355,177.297)
  other v1: 357,194
S27_L1<8>: U27.R13 U28.D5
  other v1: 340,181 349.919,182.159 355,193
S27_L1<9>: U27.V12 U28.A3 | length 9.9
  TOP w0.127: v1(337,200.411) 341.306,200.411 341.599,200.704 v1(342.03,200.704)
  BOTTOM w0.127: v1(351.991,200.311) 352.431,199.871 352.431,196.569 v1(353,196)
  other v1: 339,178
S27_L1<10>: U27.U12 U28.A4 | length 29.5
  TOP w0.127: v1(346.014,179.742) 346.859,178.897 346.859,176.884 346.959,176.784 349.567,176.784 350.52,177.737 350.52,196.177 350.774,196.431 353.569,196.431 v1(354,196)
  other v1: 339,179
S27_L1<11>: U27.T12 U28.B4
  other v1: 354,177.393 349.495,178.622 339,180 354,195
S27_L1<12>: U27.R12 U28.C4 | length 6.1
  BOTTOM w0.127: v1(339,181) 339.431,180.569 339.431,179.939 339.939,179.431 341.232,179.431 341.431,179.232 341.431,177.211 v1(341.8,176.842)
  other v1: 354,194
S27_L1<13>: U27.V13 U28.A5 | length 6.3
  TOP w0.127: v1(339,197.159) 340.365,197.159 340.795,197.589 341.205,197.589 341.758,197.036 344.267,197.036 344.431,197.2 v1(344.862,197.2)
  other v1: 340,178 355,196

## Text inside footprints (layer, text, board x,y; h text height)
U20: PIN_NUMBER "M17" at 319.166,208.5 h0.24; PIN_NUMBER "J18" at 320.166,211.5 h0.24; PIN_NUMBER "J17" at 319.166,211.5 h0.24; PIN_NUMBER "M18" at 320.166,208.5 h0.24; PIN_NUMBER "J16" at 318.166,211.5 h0.24; PIN_NUMBER "C17" at 319.166,217.5 h0.24; PIN_NUMBER "C18" at 320.166,217.5 h0.24; PIN_NUMBER "D16" at 318.166,216.5 h0.24; PIN_NUMBER "K15" at 317.166,210.5 h0.24; PIN_NUMBER "K16" at 318.166,210.5 h0.24; PIN_NUMBER "E18" at 320.166,215.5 h0.24; PIN_NUMBER "F16" at 318.166,214.5 h0.24; PIN_NUMBER "M16" at 318.166,208.5 h0.24; PIN_NUMBER "P14" at 316.166,206.5 h0.24; PIN_NUMBER "N13" at 315.166,207.5 h0.24; PIN_NUMBER "N14" at 316.166,207.5 h0.24; PIN_NUMBER "M12" at 314.166,208.5 h0.24; PIN_NUMBER "M13" at 315.166,208.5 h0.24; PIN_NUMBER "M14" at 316.166,208.5 h0.24; PIN_NUMBER "H12" at 314.166,212.5 h0.24; PIN_NUMBER "H13" at 315.166,212.5 h0.24; PIN_NUMBER "H14" at 316.166,212.5 h0.24; PIN_NUMBER "E6" at 307.854,215.5 h0.24; PIN_NUMBER "E7" at 308.854,215.5 h0.24; PIN_NUMBER "F7" at 308.854,214.5 h0.24; PIN_NUMBER "E8" at 309.854,215.5 h0.24; PIN_NUMBER "F8" at 309.854,214.5 h0.24; PIN_NUMBER "L5" at 306.854,209.5 h0.24; PIN_NUMBER "L6" at 307.854,209.5 h0.24; PIN_NUMBER "L7" at 308.854,209.5 h0.24; PIN_NUMBER "G7" at 308.854,213.5 h0.24; PIN_NUMBER "G5" at 306.854,213.5 h0.24; PIN_NUMBER "G6" at 307.854,213.5 h0.24; PIN_NUMBER "F5" at 306.854,214.5 h0.24; PIN_NUMBER "F6" at 307.854,214.5 h0.24; PIN_NUMBER "E5" at 306.854,215.5 h0.24; PIN_NUMBER "P11" at 313.166,206.5 h0.24; PIN_NUMBER "N11" at 313.166,207.5 h0.24; PIN_NUMBER "P12" at 314.166,206.5 h0.24; PIN_NUMBER "N12" at 314.166,207.5 h0.24; PIN_NUMBER "P13" at 315.166,206.5 h0.24; PIN_NUMBER "K12" at 314.166,210.5 h0.24; PIN_NUMBER "K13" at 315.166,210.5 h0.24; PIN_NUMBER "K14" at 316.166,210.5 h0.24; PIN_NUMBER "E10" at 311.936,215.5 h0.24; PIN_NUMBER "F10" at 311.936,214.5 h0.24; PIN_NUMBER "J5" at 306.854,211.5 h0.24; PIN_NUMBER "J6" at 307.854,211.5 h0.24; PIN_NUMBER "J7" at 308.854,211.5 h0.24; PIN_NUMBER "N9" at 310.854,207.5 h0.24; PIN_NUMBER "P9" at 310.854,206.5 h0.24; PIN_NUMBER "B18" at 320.166,218.5 h0.24; PIN_NUMBER "G16" at 318.166,213.5 h0.24; PIN_NUMBER "C16" at 318.166,217.5 h0.24; PIN_NUMBER "G17" at 319.166,213.5 h0.24; PIN_NUMBER "C13" at 315.166,217.5 h0.24; PIN_NUMBER "B13" at 315.166,218.5 h0.24; PIN_NUMBER "A13" at 315.166,219.5 h0.24; PIN_NUMBER "D14" at 316.166,216.5 h0.24; PIN_NUMBER "C14" at 316.166,217.5 h0.24; PIN_NUMBER "B14" at 316.166,218.5 h0.24; PIN_NUMBER "A14" at 316.166,219.5 h0.24; PIN_NUMBER "K17" at 319.166,210.5 h0.24; PIN_NUMBER "K18" at 320.166,210.5 h0.24; PIN_NUMBER "L15" at 317.166,209.5 h0.24; PIN_NUMBER "L16" at 318.166,209.5 h0.24; PIN_NUMBER "A8" at 309.854,219.5 h0.24; PIN_NUMBER "D9" at 310.854,216.5 h0.24; PIN_NUMBER "C11" at 313.166,217.5 h0.24; PIN_NUMBER "B11" at 313.166,218.5 h0.24; PIN_NUMBER "A11" at 313.166,219.5 h0.24; PIN_NUMBER "D10" at 311.936,216.5 h0.24; PIN_NUMBER "C10" at 311.936,217.5 h0.24; PIN_NUMBER "B10" at 311.936,218.5 h0.24; PIN_NUMBER "A10" at 311.936,219.5 h0.24; PIN_NUMBER "C9" at 310.854,217.5 h0.24; PIN_NUMBER "B9" at 310.854,218.5 h0.24; PIN_NUMBER "A9" at 310.854,219.5 h0.24; PIN_NUMBER "D8" at 309.854,216.5 h0.24; PIN_NUMBER "C8" at 309.854,217.5 h0.24; PIN_NUMBER "B8" at 309.854,218.5 h0.24; PIN_NUMBER "D11" at 313.166,216.5 h0.24; PIN_NUMBER "V8" at 309.854,202.5 h0.24; PIN_NUMBER "R9" at 310.854,205.5 h0.24; PIN_NUMBER "T11" at 313.166,204.5 h0.24; PIN_NUMBER "U11" at 313.166,203.5 h0.24; PIN_NUMBER "V11" at 313.166,202.5 h0.24; PIN_NUMBER "R10" at 311.936,205.5 h0.24; PIN_NUMBER "T10" at 311.936,204.5 h0.24; PIN_NUMBER "U10" at 311.936,203.5 h0.24; PIN_NUMBER "V10" at 311.936,202.5 h0.24; PIN_NUMBER "T9" at 310.854,204.5 h0.24; PIN_NUMBER "U9" at 310.854,203.5 h0.24; PIN_NUMBER "V9" at 310.854,202.5 h0.24; PIN_NUMBER "R8" at 309.854,205.5 h0.24; PIN_NUMBER "T8" at 309.854,204.5 h0.24; PIN_NUMBER "U8" at 309.854,203.5 h0.24; PIN_NUMBER "R11" at 313.166,205.5 h0.24; PIN_NUMBER "R17" at 319.166,205.5 h0.24; PIN_NUMBER "V18" at 320.166,202.5 h0.24; PIN_NUMBER "P18" at 320.166,206.5 h0.24; PIN_NUMBER "P17" at 319.166,206.5 h0.24; PIN_NUMBER "P16" at 318.166,206.5 h0.24; PIN_NUMBER "N18" at 320.166,207.5 h0.24; PIN_NUMBER "N17" at 319.166,207.5 h0.24; PIN_NUMBER "N16" at 318.166,207.5 h0.24; PIN_NUMBER "N15" at 317.166,207.5 h0.24; PIN_NUMBER "U18" at 320.166,203.5 h0.24; PIN_NUMBER "U17" at 319.166,203.5 h0.24; PIN_NUMBER "T18" at 320.166,204.5 h0.24; PIN_NUMBER "T17" at 319.166,204.5 h0.24; PIN_NUMBER "T16" at 318.166,204.5 h0.24; PIN_NUMBER "R18" at 320.166,205.5 h0.24; PIN_NUMBER "R16" at 318.166,205.5 h0.24; PIN_NUMBER "V12" at 314.166,202.5 h0.24; PIN_NUMBER "R13" at 315.166,205.5 h0.24; PIN_NUMBER "T15" at 317.166,204.5 h0.24; PIN_NUMBER "U15" at 317.166,203.5 h0.24; PIN_NUMBER "V15" at 317.166,202.5 h0.24; PIN_NUMBER "R14" at 316.166,205.5 h0.24; PIN_NUMBER "T14" at 316.166,204.5 h0.24; PIN_NUMBER "U14" at 316.166,203.5 h0.24; PIN_NUMBER "V14" at 316.166,202.5 h0.24; PIN_NUMBER "T13" at 315.166,204.5 h0.24; PIN_NUMBER "U13" at 315.166,203.5 h0.24; PIN_NUMBER "V13" at 315.166,202.5 h0.24; PIN_NUMBER "R12" at 314.166,205.5 h0.24; PIN_NUMBER "T12" at 314.166,204.5 h0.24; PIN_NUMBER "U12" at 314.166,203.5 h0.24; PIN_NUMBER "V16" at 318.166,202.5 h0.24; PIN_NUMBER "V6" at 307.854,202.5 h0.24; PIN_NUMBER "R7" at 308.854,205.5 h0.24; PIN_NUMBER "T5" at 306.854,204.5 h0.24; PIN_NUMBER "U5" at 306.854,203.5 h0.24; PIN_NUMBER "V5" at 306.854,202.5 h0.24; PIN_NUMBER "T4" at 305.854,204.5 h0.24; PIN_NUMBER "U4" at 305.854,203.5 h0.24; PIN_NUMBER "V4" at 305.854,202.5 h0.24; PIN_NUMBER "V3" at 304.854,202.5 h0.24; PIN_NUMBER "T7" at 308.854,204.5 h0.24; PIN_NUMBER "U7" at 308.854,203.5 h0.24; PIN_NUMBER "V7" at 308.854,202.5 h0.24; PIN_NUMBER "R6" at 307.854,205.5 h0.24; PIN_NUMBER "T6" at 307.854,204.5 h0.24; PIN_NUMBER "U6" at 307.854,203.5 h0.24; PIN_NUMBER "R5" at 306.854,205.5 h0.24; PIN_NUMBER "A3" at 304.854,219.5 h0.24; PIN_NUMBER "D5" at 306.854,216.5 h0.24; PIN_NUMBER "C7" at 308.854,217.5 h0.24; PIN_NUMBER "B7" at 308.854,218.5 h0.24; PIN_NUMBER "A7" at 308.854,219.5 h0.24; PIN_NUMBER "D6" at 307.854,216.5 h0.24; PIN_NUMBER "C6" at 307.854,217.5 h0.24; PIN_NUMBER "B6" at 307.854,218.5 h0.24; PIN_NUMBER "A6" at 307.854,219.5 h0.24; PIN_NUMBER "C5" at 306.854,217.5 h0.24; PIN_NUMBER "B5" at 306.854,218.5 h0.24; PIN_NUMBER "A5" at 306.854,219.5 h0.24; PIN_NUMBER "C4" at 305.854,217.5 h0.24; PIN_NUMBER "B4" at 305.854,218.5 h0.24; PIN_NUMBER "A4" at 305.854,219.5 h0.24; PIN_NUMBER "D7" at 308.854,216.5 h0.24; PIN_NUMBER "C15" at 317.166,217.5 h0.24; PIN_NUMBER "B15" at 317.166,218.5 h0.24; PIN_NUMBER "A15" at 317.166,219.5 h0.24; PIN_NUMBER "B16" at 318.166,218.5 h0.24; PIN_NUMBER "A16" at 318.166,219.5 h0.24; PIN_NUMBER "A17" at 319.166,219.5 h0.24; PIN_NUMBER "A18" at 320.166,219.5 h0.24; PIN_NUMBER "B17" at 319.166,218.5 h0.24; PIN_NUMBER "H16" at 318.166,212.5 h0.24; PIN_NUMBER "H15" at 317.166,212.5 h0.24; PIN_NUMBER "B12" at 314.166,218.5 h0.24; PIN_NUMBER "C12" at 314.166,217.5 h0.24; PIN_NUMBER "A12" at 314.166,219.5 h0.24; PIN_NUMBER "D13" at 315.166,216.5 h0.24; PIN_NUMBER "F17" at 319.166,214.5 h0.24; PIN_NUMBER "F18" at 320.166,214.5 h0.24; PIN_NUMBER "D17" at 319.166,216.5 h0.24; PIN_NUMBER "D18" at 320.166,216.5 h0.24; PIN_NUMBER "E16" at 318.166,215.5 h0.24; PIN_NUMBER "E17" at 319.166,215.5 h0.24; PIN_NUMBER "L12" at 314.166,209.5 h0.24; PIN_NUMBER "L13" at 315.166,209.5 h0.24; PIN_NUMBER "L14" at 316.166,209.5 h0.24; PIN_NUMBER "L17" at 319.166,209.5 h0.24; PIN_NUMBER "L18" at 320.166,209.5 h0.24; PIN_NUMBER "J12" at 314.166,211.5 h0.24; PIN_NUMBER "J13" at 315.166,211.5 h0.24; PIN_NUMBER "J14" at 316.166,211.5 h0.24; PIN_NUMBER "H17" at 319.166,212.5 h0.24; PIN_NUMBER "H18" at 320.166,212.5 h0.24; PIN_NUMBER "G12" at 314.166,213.5 h0.24; PIN_NUMBER "G13" at 315.166,213.5 h0.24; PIN_NUMBER "G14" at 316.166,213.5 h0.24; PIN_NUMBER "F13" at 315.166,214.5 h0.24; PIN_NUMBER "F14" at 316.166,214.5 h0.24; PIN_NUMBER "E14" at 316.166,215.5 h0.24; PIN_NUMBER "E9" at 310.854,215.5 h0.24; PIN_NUMBER "F9" at 310.854,214.5 h0.24; PIN_NUMBER "F11" at 313.166,214.5 h0.24; PIN_NUMBER "E11" at 313.166,215.5 h0.24; PIN_NUMBER "F12" at 314.166,214.5 h0.24; PIN_NUMBER "E12" at 314.166,215.5 h0.24; PIN_NUMBER "E13" at 315.166,215.5 h0.24; PIN_NUMBER "P5" at 306.854,206.5 h0.24; PIN_NUMBER "N6" at 307.854,207.5 h0.24; PIN_NUMBER "N5" at 306.854,207.5 h0.24; PIN_NUMBER "M5" at 306.854,208.5 h0.24; PIN_NUMBER "M6" at 307.854,208.5 h0.24; PIN_NUMBER "M7" at 308.854,208.5 h0.24; PIN_NUMBER "K5" at 306.854,210.5 h0.24; PIN_NUMBER "K6" at 307.854,210.5 h0.24; PIN_NUMBER "K7" at 308.854,210.5 h0.24; PIN_NUMBER "H5" at 306.854,212.5 h0.24; PIN_NUMBER "H6" at 307.854,212.5 h0.24; PIN_NUMBER "H7" at 308.854,212.5 h0.24; PIN_NUMBER "P6" at 307.854,206.5 h0.24; PIN_NUMBER "N7" at 308.854,207.5 h0.24; PIN_NUMBER "P7" at 308.854,206.5 h0.24; PIN_NUMBER "N8" at 309.854,207.5 h0.24; PIN_NUMBER "P8" at 309.854,206.5 h0.24; PIN_NUMBER "P10" at 311.936,206.5 h0.24; PIN_NUMBER "N10" at 311.936,207.5 h0.24; PIN_NUMBER "D12" at 314.166,216.5 h0.24; PIN_NUMBER "G15" at 317.166,213.5 h0.24; PIN_NUMBER "M15" at 317.166,208.5 h0.24; PIN_NUMBER "G18" at 320.166,213.5 h0.24; PIN_NUMBER "R15" at 317.166,205.5 h0.24; PIN_NUMBER "P15" at 317.166,206.5 h0.24; PIN_NUMBER "J15" at 317.166,211.5 h0.24; PIN_NUMBER "F15" at 317.166,214.5 h0.24; PIN_NUMBER "E15" at 317.166,215.5 h0.24; PIN_NUMBER "D15" at 317.166,216.5 h0.24; PIN_NUMBER "V17" at 319.166,202.5 h0.24; PIN_NUMBER "U16" at 318.166,203.5 h0.24; PIN_NUMBER "M3" at 304.854,208.5 h0.24; PIN_NUMBER "M1" at 302.624,208.5 h0.24; PIN_NUMBER "R4" at 305.854,205.5 h0.24; PIN_NUMBER "N2" at 303.854,207.5 h0.24; PIN_NUMBER "F3" at 304.854,214.5 h0.24; PIN_NUMBER "D1" at 302.624,216.5 h0.24; PIN_NUMBER "D4" at 305.854,216.5 h0.24; PIN_NUMBER "D3" at 304.854,216.5 h0.24; PIN_NUMBER "C3" at 304.854,217.5 h0.24; PIN_NUMBER "C2" at 303.854,217.5 h0.24; PIN_NUMBER "C1" at 302.624,217.5 h0.24; PIN_NUMBER "B3" at 304.854,218.5 h0.24; PIN_NUMBER "B2" at 303.854,218.5 h0.24; PIN_NUMBER "V2" at 303.854,202.5 h0.24; PIN_NUMBER "V1" at 302.624,202.5 h0.24; PIN_NUMBER "B1" at 302.624,218.5 h0.24; PIN_NUMBER "U3" at 304.854,203.5 h0.24; PIN_NUMBER "U2" at 303.854,203.5 h0.24; PIN_NUMBER "U1" at 302.624,203.5 h0.24; PIN_NUMBER "T3" at 304.854,204.5 h0.24; PIN_NUMBER "T2" at 303.854,204.5 h0.24; PIN_NUMBER "T1" at 302.624,204.5 h0.24; PIN_NUMBER "R2" at 303.854,205.5 h0.24; PIN_NUMBER "R1" at 302.624,205.5 h0.24; PIN_NUMBER "P4" at 305.854,206.5 h0.24; PIN_NUMBER "P3" at 304.854,206.5 h0.24; PIN_NUMBER "A2" at 303.854,219.5 h0.24; PIN_NUMBER "P2" at 303.854,206.5 h0.24; PIN_NUMBER "P1" at 302.624,206.5 h0.24; PIN_NUMBER "N4" at 305.854,207.5 h0.24; PIN_NUMBER "N3" at 304.854,207.5 h0.24; PIN_NUMBER "F2" at 303.854,214.5 h0.24; PIN_NUMBER "F1" at 302.624,214.5 h0.24; PIN_NUMBER "E4" at 305.854,215.5 h0.24; PIN_NUMBER "E3" at 304.854,215.5 h0.24; PIN_NUMBER "E2" at 303.854,215.5 h0.24; PIN_NUMBER "E1" at 302.624,215.5 h0.24; PIN_NUMBER "A1" at 302.624,219.5 h0.24; PIN_NUMBER "R3" at 304.854,205.5 h0.24; PIN_NUMBER "N1" at 302.624,207.5 h0.24; PIN_NUMBER "F4" at 305.854,214.5 h0.24; PIN_NUMBER "D2" at 303.854,216.5 h0.24; PIN_NUMBER "J4" at 305.854,211.5 h0.24; PIN_NUMBER "J3" at 304.854,211.5 h0.24; PIN_NUMBER "M4" at 305.854,208.5 h0.24; PIN_NUMBER "J1" at 302.624,211.5 h0.24; PIN_NUMBER "J2" at 303.854,211.5 h0.24; PIN_NUMBER "M2" at 303.854,208.5 h0.24; PIN_NUMBER "G1" at 302.624,213.5 h0.24; PIN_NUMBER "G2" at 303.854,213.5 h0.24; PIN_NUMBER "K4" at 305.854,210.5 h0.24; PIN_NUMBER "H2" at 303.854,212.5 h0.24; PIN_NUMBER "L1" at 302.624,209.5 h0.24; PIN_NUMBER "H1" at 302.624,212.5 h0.24; PIN_NUMBER "L2" at 303.854,209.5 h0.24; PIN_NUMBER "G4" at 305.854,213.5 h0.24; PIN_NUMBER "L3" at 304.854,209.5 h0.24; PIN_NUMBER "G3" at 304.854,213.5 h0.24; PIN_NUMBER "L4" at 305.854,209.5 h0.24; PIN_NUMBER "K1" at 302.624,210.5 h0.24; PIN_NUMBER "H4" at 305.854,212.5 h0.24; PIN_NUMBER "K3" at 304.854,210.5 h0.24; PIN_NUMBER "H3" at 304.854,212.5 h0.24; PIN_NUMBER "K2" at 303.854,210.5 h0.24